# KiCad board panel.kicad_pcb (continued)
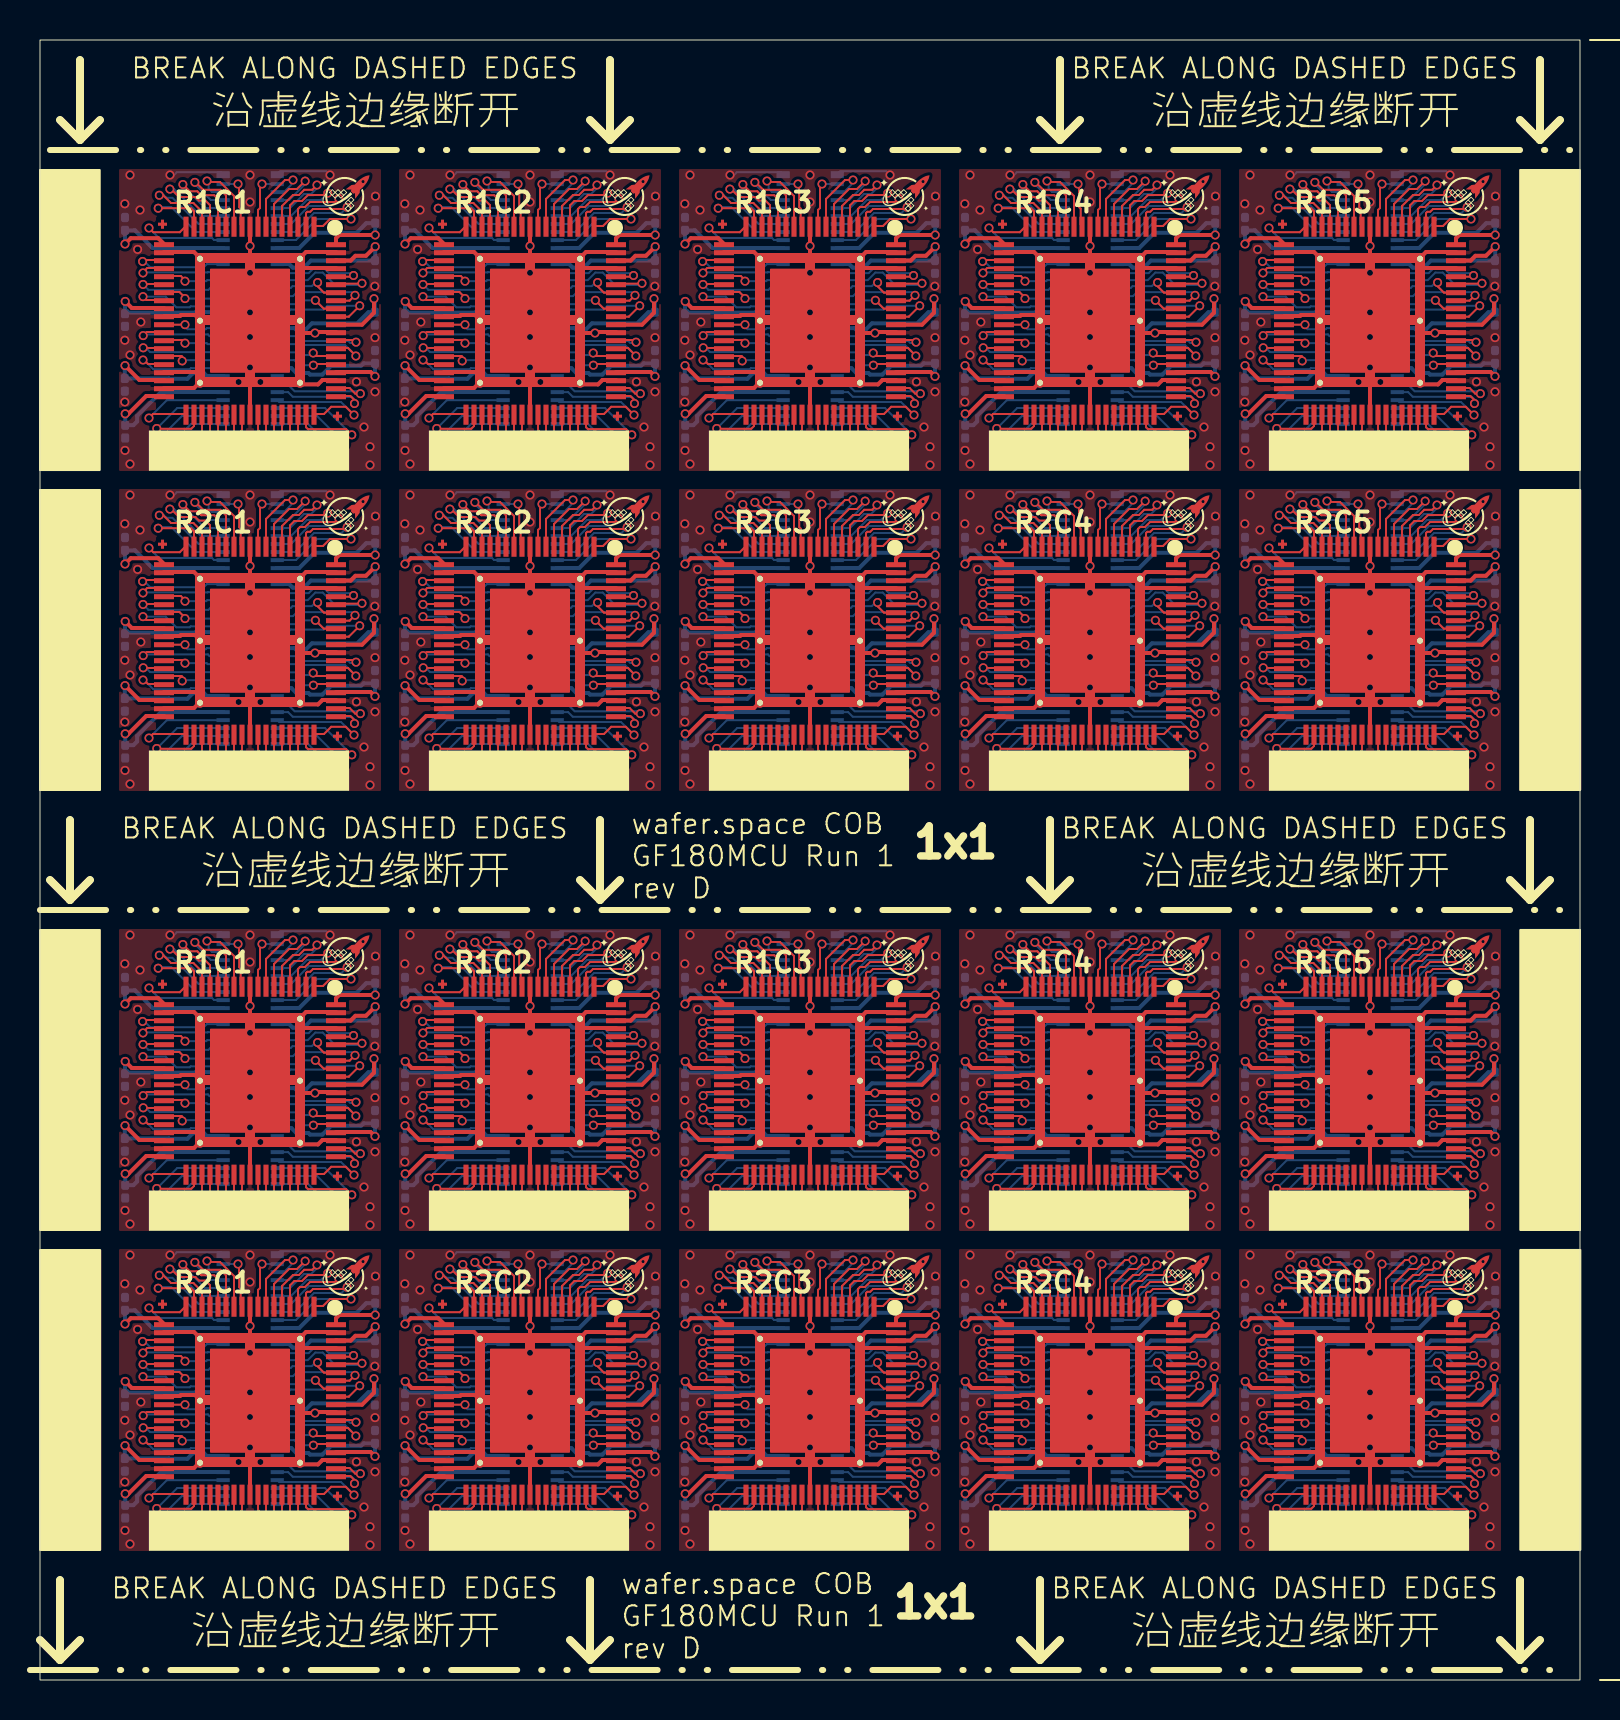
[diagram p0: board, top side]
## Routing (per net, layer and track width the routed paths; a pad name or vN(x,y) marks a point on that pad's centre or on a via; arc(x,y) is an arc through that point) (continued)
/pad_46: length 58.2
  Top w0.1: v1(53.15,61.2) 53.15,61.83 53.04,61.94 53.04,62.36 52.9,62.5 52.9,63.3 ; 52.9,25.3 52.9,24.5 53.04,24.36 53.04,23.94 53.15,23.83 v1(53.15,23.2) ; 10.9,63.3 10.9,62.5 11.04,62.36 11.04,61.94 11.15,61.83 v1(11.15,61.2) ; v1(53.15,45.2) 53.15,45.83 53.04,45.94 53.04,46.36 52.9,46.5 52.9,47.3 ; v1(67.15,45.2) 67.15,45.83 67.04,45.94 67.04,46.36 66.9,46.5 66.9,47.3 ; v1(11.15,7.2) 11.15,7.83 11.04,7.94 11.04,8.36 10.9,8.5 10.9,9.3 ; v1(39.15,61.2) 39.15,61.83 39.04,61.94 39.04,62.36 38.9,62.5 38.9,63.3 ; v1(53.15,7.2) 53.15,7.83 53.04,7.94 53.04,8.36 52.9,8.5 52.9,9.3 ; 38.9,25.3 38.9,24.5 39.04,24.36 39.04,23.94 39.15,23.83 v1(39.15,23.2) ; v1(25.15,23.2) 25.15,23.83 25.04,23.94 25.04,24.36 24.9,24.5 24.9,25.3 ; v1(11.15,23.2) 11.15,23.83 11.04,23.94 11.04,24.36 10.9,24.5 10.9,25.3 ; 66.9,9.3 66.9,8.5 67.04,8.36 67.04,7.94 67.15,7.83 v1(67.15,7.2) ; v1(25.15,45.2) 25.15,45.83 25.04,45.94 25.04,46.36 24.9,46.5 24.9,47.3 ; 38.9,47.3 38.9,46.5 39.04,46.36 39.04,45.94 39.15,45.83 v1(39.15,45.2) ; v1(39.15,7.2) 39.15,7.83 39.04,7.94 39.04,8.36 38.9,8.5 38.9,9.3 ; v1(25.15,61.2) 25.15,61.83 25.04,61.94 25.04,62.36 24.9,62.5 24.9,63.3 ; 24.9,9.3 24.9,8.5 25.04,8.36 25.04,7.94 25.15,7.83 v1(25.15,7.2) ; 66.9,25.3 66.9,24.5 67.04,24.36 67.04,23.94 67.15,23.83 v1(67.15,23.2) ; v1(11.15,45.2) 11.15,45.83 11.04,45.94 11.04,46.36 10.9,46.5 10.9,47.3 ; v1(67.15,61.2) 67.15,61.83 67.04,61.94 67.04,62.36 66.9,62.5 66.9,63.3
  Bottom w0.1: v1(39.15,23.2) 39.85,23.2 ; v1(11.15,61.2) 11.85,61.2 ; v1(39.15,45.2) 39.85,45.2 ; v1(11.15,45.2) 11.85,45.2 ; v1(39.15,7.2) 39.85,7.2 ; v1(67.15,61.2) 67.86,61.2 ; v1(11.15,23.2) 11.85,23.2 ; v1(39.15,61.2) 39.85,61.2 ; v1(67.15,45.2) 67.86,45.2 ; v1(67.15,7.2) 67.86,7.2 ; v1(25.15,7.2) 25.85,7.2 ; v1(53.15,61.2) 53.85,61.2 ; v1(11.15,7.2) 11.85,7.2 ; v1(25.15,45.2) 25.85,45.2 ; v1(53.15,23.2) 53.85,23.2 ; v1(25.15,23.2) 25.85,23.2 ; v1(25.15,61.2) 25.85,61.2 ; v1(53.15,45.2) 53.85,45.2 ; v1(53.15,7.2) 53.85,7.2 ; v1(67.15,23.2) 67.86,23.2
/pad_47: length 86.7
  Top w0.1: v1(54.8,7.05) 54.3,7.05 53.3,8.05 53.3,9.3 ; 11.3,25.3 11.3,24.05 12.3,23.05 v1(12.8,23.05) ; v1(12.8,61.05) 12.3,61.05 11.3,62.05 11.3,63.3 ; 39.3,47.3 39.3,46.05 40.3,45.05 v1(40.8,45.05) ; 25.3,25.3 25.3,24.05 26.3,23.05 v1(26.8,23.05) ; v1(26.8,45.05) 26.3,45.05 25.3,46.05 25.3,47.3 ; 11.3,47.3 11.3,46.05 12.3,45.05 v1(12.8,45.05) ; v1(40.8,23.05) 40.3,23.05 39.3,24.05 39.3,25.3 ; v1(12.8,7.05) 12.3,7.05 11.3,8.05 11.3,9.3 ; v1(68.8,61.05) 68.3,61.05 67.3,62.05 67.3,63.3 ; 67.3,47.3 67.3,46.05 68.3,45.05 v1(68.8,45.05) ; 53.3,25.3 53.3,24.05 54.3,23.05 v1(54.8,23.05) ; v1(26.8,61.05) 26.3,61.05 25.3,62.05 25.3,63.3 ; 25.3,9.3 25.3,8.05 26.3,7.05 v1(26.8,7.05) ; v1(40.8,61.05) 40.3,61.05 39.3,62.05 39.3,63.3 ; v1(68.8,7.05) 68.3,7.05 67.3,8.05 67.3,9.3 ; v1(40.8,7.05) 40.3,7.05 39.3,8.05 39.3,9.3 ; v1(54.8,61.05) 54.3,61.05 53.3,62.05 53.3,63.3 ; v1(68.8,23.05) 68.3,23.05 67.3,24.05 67.3,25.3 ; 53.3,47.3 53.3,46.05 54.3,45.05 v1(54.8,45.05)
  Bottom w0.1: 11.85,45.6 12.25,45.6 v1(12.8,45.05) ; 53.85,23.6 54.25,23.6 v1(54.8,23.05) ; v1(26.8,7.05) 26.25,7.6 25.85,7.6 ; v1(40.8,45.05) 40.25,45.6 39.85,45.6 ; v1(26.8,61.05) 26.25,61.6 25.85,61.6 ; v1(40.8,23.05) 40.25,23.6 39.85,23.6 ; 67.86,7.6 68.25,7.6 v1(68.8,7.05) ; 67.86,61.6 68.25,61.6 v1(68.8,61.05) ; 25.85,45.6 26.25,45.6 v1(26.8,45.05) ; v1(12.8,7.05) 12.25,7.6 11.85,7.6 ; v1(54.8,45.05) 54.25,45.6 53.85,45.6 ; v1(68.8,45.05) 68.25,45.6 67.86,45.6 ; v1(54.8,61.05) 54.25,61.6 53.85,61.6 ; 39.85,7.6 40.25,7.6 v1(40.8,7.05) ; 53.85,7.6 54.25,7.6 v1(54.8,7.05) ; v1(40.8,61.05) 40.25,61.6 39.85,61.6 ; 25.85,23.6 26.25,23.6 v1(26.8,23.05) ; 11.85,61.6 12.25,61.6 v1(12.8,61.05) ; v1(68.8,23.05) 68.25,23.6 67.86,23.6 ; v1(12.8,23.05) 12.25,23.6 11.85,23.6
/pad_48: length 102.5
  Top w0.1: 25.7,9.3 25.7,8.1 26.31,7.49 27.01,7.49 27.23,7.27 v1(27.42,7.27) ; 67.7,63.3 67.7,62.1 68.31,61.49 69.01,61.49 69.23,61.27 v1(69.42,61.27) ; v1(41.42,45.27) 41.23,45.27 41.01,45.49 40.31,45.49 39.7,46.1 39.7,47.3 ; 11.7,9.3 11.7,8.1 12.31,7.49 13.01,7.49 13.23,7.27 v1(13.42,7.27) ; v1(55.42,7.27) 55.23,7.27 55.01,7.49 54.31,7.49 53.7,8.1 53.7,9.3 ; 67.7,25.3 67.7,24.1 68.31,23.49 69.01,23.49 69.23,23.27 v1(69.42,23.27) ; v1(69.42,45.27) 69.23,45.27 69.01,45.49 68.31,45.49 67.7,46.1 67.7,47.3 ; 39.7,63.3 39.7,62.1 40.31,61.49 41.01,61.49 41.23,61.27 v1(41.42,61.27) ; 67.7,9.3 67.7,8.1 68.31,7.49 69.01,7.49 69.23,7.27 v1(69.42,7.27) ; 25.7,63.3 25.7,62.1 26.31,61.49 27.01,61.49 27.23,61.27 v1(27.42,61.27) ; v1(55.42,23.27) 55.23,23.27 55.01,23.49 54.31,23.49 53.7,24.1 53.7,25.3 ; 25.7,25.3 25.7,24.1 26.31,23.49 27.01,23.49 27.23,23.27 v1(27.42,23.27) ; v1(55.42,45.27) 55.23,45.27 55.01,45.49 54.31,45.49 53.7,46.1 53.7,47.3 ; v1(13.42,61.27) 13.23,61.27 13.01,61.49 12.31,61.49 11.7,62.1 11.7,63.3 ; v1(41.42,23.27) 41.23,23.27 41.01,23.49 40.31,23.49 39.7,24.1 39.7,25.3 ; 11.7,47.3 11.7,46.1 12.31,45.49 13.01,45.49 13.23,45.27 v1(13.42,45.27) ; 53.7,63.3 53.7,62.1 54.31,61.49 55.01,61.49 55.23,61.27 v1(55.42,61.27) ; 11.7,25.3 11.7,24.1 12.31,23.49 13.01,23.49 13.23,23.27 v1(13.42,23.27) ; 25.7,47.3 25.7,46.1 26.31,45.49 27.01,45.49 27.23,45.27 v1(27.42,45.27) ; v1(41.42,7.27) 41.23,7.27 41.01,7.49 40.31,7.49 39.7,8.1 39.7,9.3
  Bottom w0.1: v1(55.42,7.27) 55.33,7.27 54.6,8 53.85,8 ; 67.86,8 68.6,8 69.33,7.27 v1(69.42,7.27) ; 39.85,8 40.6,8 41.33,7.27 v1(41.42,7.27) ; 25.85,46 26.6,46 27.33,45.27 v1(27.42,45.27) ; v1(41.42,45.27) 41.33,45.27 40.6,46 39.85,46 ; v1(13.42,45.27) 13.33,45.27 12.6,46 11.85,46 ; 25.85,24 26.6,24 27.33,23.27 v1(27.42,23.27) ; v1(27.42,61.27) 27.33,61.27 26.6,62 25.85,62 ; 11.85,24 12.6,24 13.33,23.27 v1(13.42,23.27) ; v1(41.42,61.27) 41.33,61.27 40.6,62 39.85,62 ; 39.85,24 40.6,24 41.33,23.27 v1(41.42,23.27) ; 53.85,24 54.6,24 55.33,23.27 v1(55.42,23.27) ; 67.86,24 68.6,24 69.33,23.27 v1(69.42,23.27) ; 53.85,62 54.6,62 55.33,61.27 v1(55.42,61.27) ; v1(69.42,45.27) 69.33,45.27 68.6,46 67.86,46 ; 11.85,62 12.6,62 13.33,61.27 v1(13.42,61.27) ; 53.85,46 54.6,46 55.33,45.27 v1(55.42,45.27) ; 25.85,8 26.6,8 27.33,7.27 v1(27.42,7.27) ; 11.85,8 12.6,8 13.33,7.27 v1(13.42,7.27) ; v1(69.42,61.27) 69.33,61.27 68.6,62 67.86,62
/pad_49: length 116.7
  Top w0.1: v1(69.98,61.51) 69.9,61.51 69.65,61.76 68.41,61.76 68.1,62.07 68.1,63.3 ; 12.1,9.3 12.1,8.07 12.41,7.76 13.65,7.76 13.9,7.51 v1(13.98,7.51) ; v1(41.98,61.51) 41.9,61.51 41.65,61.76 40.41,61.76 40.1,62.07 40.1,63.3 ; 26.1,63.3 26.1,62.07 26.41,61.76 27.65,61.76 27.9,61.51 v1(27.98,61.51) ; 68.1,9.3 68.1,8.07 68.41,7.76 69.65,7.76 69.9,7.51 v1(69.98,7.51) ; v1(27.98,45.51) 27.9,45.51 27.65,45.76 26.41,45.76 26.1,46.07 26.1,47.3 ; v1(55.98,23.51) 55.9,23.51 55.65,23.76 54.41,23.76 54.1,24.07 54.1,25.3 ; v1(55.98,7.51) 55.9,7.51 55.65,7.76 54.41,7.76 54.1,8.07 54.1,9.3 ; 68.1,25.3 68.1,24.07 68.41,23.76 69.65,23.76 69.9,23.51 v1(69.98,23.51) ; 54.1,47.3 54.1,46.07 54.41,45.76 55.65,45.76 55.9,45.51 v1(55.98,45.51) ; 40.1,9.3 40.1,8.07 40.41,7.76 41.65,7.76 41.9,7.51 v1(41.98,7.51) ; 54.1,63.3 54.1,62.07 54.41,61.76 55.65,61.76 55.9,61.51 v1(55.98,61.51) ; v1(27.98,7.51) 27.9,7.51 27.65,7.76 26.41,7.76 26.1,8.07 26.1,9.3 ; v1(13.98,45.51) 13.9,45.51 13.65,45.76 12.41,45.76 12.1,46.07 12.1,47.3 ; v1(13.98,61.51) 13.9,61.51 13.65,61.76 12.41,61.76 12.1,62.07 12.1,63.3 ; v1(13.98,23.51) 13.9,23.51 13.65,23.76 12.41,23.76 12.1,24.07 12.1,25.3 ; v1(41.98,45.51) 41.9,45.51 41.65,45.76 40.41,45.76 40.1,46.07 40.1,47.3 ; v1(69.98,45.51) 69.9,45.51 69.65,45.76 68.41,45.76 68.1,46.07 68.1,47.3 ; v1(27.98,23.51) 27.9,23.51 27.65,23.76 26.41,23.76 26.1,24.07 26.1,25.3 ; 40.1,25.3 40.1,24.07 40.41,23.76 41.65,23.76 41.9,23.51 v1(41.98,23.51)
  Bottom w0.1: v1(13.98,61.51) 13.9,61.51 13.01,62.4 11.85,62.4 ; 39.85,46.4 41.01,46.4 41.9,45.51 v1(41.98,45.51) ; 67.86,62.4 69.01,62.4 69.9,61.51 v1(69.98,61.51) ; v1(69.98,7.51) 69.9,7.51 69.01,8.4 67.86,8.4 ; 11.85,8.4 13.01,8.4 13.9,7.51 v1(13.98,7.51) ; v1(69.98,23.51) 69.9,23.51 69.01,24.4 67.86,24.4 ; 25.85,62.4 27.01,62.4 27.9,61.51 v1(27.98,61.51) ; 53.85,8.4 55.01,8.4 55.9,7.51 v1(55.98,7.51) ; 25.85,8.4 27.01,8.4 27.9,7.51 v1(27.98,7.51) ; v1(41.98,61.51) 41.9,61.51 41.01,62.4 39.85,62.4 ; v1(69.98,45.51) 69.9,45.51 69.01,46.4 67.86,46.4 ; v1(27.98,45.51) 27.9,45.51 27.01,46.4 25.85,46.4 ; v1(41.98,7.51) 41.9,7.51 41.01,8.4 39.85,8.4 ; 11.85,46.4 13.01,46.4 13.9,45.51 v1(13.98,45.51) ; v1(41.98,23.51) 41.9,23.51 41.01,24.4 39.85,24.4 ; 53.85,46.4 55.01,46.4 55.9,45.51 v1(55.98,45.51) ; v1(13.98,23.51) 13.9,23.51 13.01,24.4 11.85,24.4 ; 25.85,24.4 27.01,24.4 27.9,23.51 v1(27.98,23.51) ; v1(55.98,61.51) 55.9,61.51 55.01,62.4 53.85,62.4 ; 53.85,24.4 55.01,24.4 55.9,23.51 v1(55.98,23.51)
/pad_50: length 131.8
  Top w0.1: 12.5,63.3 12.5,62.15 12.63,62.02 14.18,62.02 14.5,61.71 v1(14.58,61.71) ; 40.5,63.3 40.5,62.15 40.63,62.02 42.18,62.02 42.5,61.71 v1(42.58,61.71) ; v1(56.58,7.71) 56.5,7.71 56.18,8.02 54.63,8.02 54.5,8.15 54.5,9.3 ; v1(14.58,45.71) 14.5,45.71 14.18,46.02 12.63,46.02 12.5,46.15 12.5,47.3 ; v1(42.58,7.71) 42.5,7.71 42.18,8.02 40.63,8.02 40.5,8.15 40.5,9.3 ; v1(70.58,23.71) 70.5,23.71 70.18,24.02 68.63,24.02 68.5,24.15 68.5,25.3 ; v1(70.58,7.71) 70.5,7.71 70.18,8.02 68.63,8.02 68.5,8.15 68.5,9.3 ; 40.5,47.3 40.5,46.15 40.63,46.02 42.18,46.02 42.5,45.71 v1(42.58,45.71) ; v1(56.58,61.71) 56.5,61.71 56.18,62.02 54.63,62.02 54.5,62.15 54.5,63.3 ; 12.5,25.3 12.5,24.15 12.63,24.02 14.18,24.02 14.5,23.71 v1(14.58,23.71) ; 26.5,47.3 26.5,46.15 26.63,46.02 28.18,46.02 28.5,45.71 v1(28.58,45.71) ; v1(42.58,23.71) 42.5,23.71 42.18,24.02 40.63,24.02 40.5,24.15 40.5,25.3 ; v1(70.58,45.71) 70.5,45.71 70.18,46.02 68.63,46.02 68.5,46.15 68.5,47.3 ; 26.5,9.3 26.5,8.15 26.63,8.02 28.18,8.02 28.5,7.71 v1(28.58,7.71) ; 68.5,63.3 68.5,62.15 68.63,62.02 70.18,62.02 70.5,61.71 v1(70.58,61.71) ; v1(28.58,23.71) 28.5,23.71 28.18,24.02 26.63,24.02 26.5,24.15 26.5,25.3 ; v1(56.58,23.71) 56.5,23.71 56.18,24.02 54.63,24.02 54.5,24.15 54.5,25.3 ; 12.5,9.3 12.5,8.15 12.63,8.02 14.18,8.02 14.5,7.71 v1(14.58,7.71) ; v1(28.58,61.71) 28.5,61.71 28.18,62.02 26.63,62.02 26.5,62.15 26.5,63.3 ; v1(56.58,45.71) 56.5,45.71 56.18,46.02 54.63,46.02 54.5,46.15 54.5,47.3
  Bottom w0.1: 39.85,24.8 41.41,24.8 42.5,23.71 v1(42.58,23.71) ; 11.85,62.8 13.41,62.8 14.5,61.71 v1(14.58,61.71) ; 53.85,46.8 55.41,46.8 56.5,45.71 v1(56.58,45.71) ; 25.85,62.8 27.41,62.8 28.5,61.71 v1(28.58,61.71) ; 67.86,46.8 69.41,46.8 70.5,45.71 v1(70.58,45.71) ; 25.85,46.8 27.41,46.8 28.5,45.71 v1(28.58,45.71) ; 39.85,46.8 41.41,46.8 42.5,45.71 v1(42.58,45.71) ; v1(56.58,23.71) 56.5,23.71 55.41,24.8 53.85,24.8 ; 67.86,62.8 69.41,62.8 70.5,61.71 v1(70.58,61.71) ; v1(42.58,7.71) 42.5,7.71 41.41,8.8 39.85,8.8 ; 11.85,24.8 13.41,24.8 14.5,23.71 v1(14.58,23.71) ; 11.85,46.8 13.41,46.8 14.5,45.71 v1(14.58,45.71) ; v1(56.58,7.71) 56.5,7.71 55.41,8.8 53.85,8.8 ; v1(56.58,61.71) 56.5,61.71 55.41,62.8 53.85,62.8 ; v1(70.58,23.71) 70.5,23.71 69.41,24.8 67.86,24.8 ; 25.85,24.8 27.41,24.8 28.5,23.71 v1(28.58,23.71) ; 25.85,8.8 27.41,8.8 28.5,7.71 v1(28.58,7.71) ; 67.86,8.8 69.41,8.8 70.5,7.71 v1(70.58,7.71) ; 39.85,62.8 41.41,62.8 42.5,61.71 v1(42.58,61.71) ; v1(14.58,7.71) 14.5,7.71 13.41,8.8 11.85,8.8
/pad_51: length 148.9
  Top w0.1: v1(71.18,7.8) 71.18,7.87 70.77,8.28 68.97,8.28 68.9,8.35 68.9,9.3 ; 40.9,47.3 40.9,46.35 40.97,46.28 42.77,46.28 43.18,45.87 v1(43.18,45.8) ; v1(57.18,61.8) 57.18,61.87 56.77,62.28 54.97,62.28 54.9,62.35 54.9,63.3 ; v1(57.18,45.8) 57.18,45.87 56.77,46.28 54.97,46.28 54.9,46.35 54.9,47.3 ; 26.9,63.3 26.9,62.35 26.97,62.28 28.77,62.28 29.18,61.87 v1(29.18,61.8) ; v1(15.18,45.8) 15.18,45.87 14.77,46.28 12.97,46.28 12.9,46.35 12.9,47.3 ; 54.9,25.3 54.9,24.35 54.97,24.28 56.77,24.28 57.18,23.87 v1(57.18,23.8) ; 68.9,47.3 68.9,46.35 68.97,46.28 70.77,46.28 71.18,45.87 v1(71.18,45.8) ; 68.9,63.3 68.9,62.35 68.97,62.28 70.77,62.28 71.18,61.87 v1(71.18,61.8) ; v1(71.18,23.8) 71.18,23.87 70.77,24.28 68.97,24.28 68.9,24.35 68.9,25.3 ; v1(15.18,61.8) 15.18,61.87 14.77,62.28 12.97,62.28 12.9,62.35 12.9,63.3 ; v1(29.18,7.8) 29.18,7.87 28.77,8.28 26.97,8.28 26.9,8.35 26.9,9.3 ; v1(15.18,23.8) 15.18,23.87 14.77,24.28 12.97,24.28 12.9,24.35 12.9,25.3 ; v1(15.18,7.8) 15.18,7.87 14.77,8.28 12.97,8.28 12.9,8.35 12.9,9.3 ; v1(43.18,23.8) 43.18,23.87 42.77,24.28 40.97,24.28 40.9,24.35 40.9,25.3 ; 54.9,9.3 54.9,8.35 54.97,8.28 56.77,8.28 57.18,7.87 v1(57.18,7.8) ; v1(43.18,61.8) 43.18,61.87 42.77,62.28 40.97,62.28 40.9,62.35 40.9,63.3 ; 26.9,47.3 26.9,46.35 26.97,46.28 28.77,46.28 29.18,45.87 v1(29.18,45.8) ; v1(43.18,7.8) 43.18,7.87 42.77,8.28 40.97,8.28 40.9,8.35 40.9,9.3 ; v1(29.18,23.8) 29.18,23.87 28.77,24.28 26.97,24.28 26.9,24.35 26.9,25.3
  Bottom w0.1: 39.85,47.2 41.85,47.2 43.18,45.87 v1(43.18,45.8) ; 67.86,25.2 69.85,25.2 71.18,23.87 v1(71.18,23.8) ; v1(43.18,7.8) 43.18,7.87 41.85,9.2 39.85,9.2 ; v1(43.18,23.8) 43.18,23.87 41.85,25.2 39.85,25.2 ; v1(71.18,45.8) 71.18,45.87 69.85,47.2 67.86,47.2 ; v1(57.18,7.8) 57.18,7.87 55.85,9.2 53.85,9.2 ; 25.85,63.2 27.85,63.2 29.18,61.87 v1(29.18,61.8) ; 53.85,63.2 55.85,63.2 57.18,61.87 v1(57.18,61.8) ; 67.86,9.2 69.85,9.2 71.18,7.87 v1(71.18,7.8) ; v1(29.18,45.8) 29.18,45.87 27.85,47.2 25.85,47.2 ; v1(15.18,23.8) 15.18,23.87 13.85,25.2 11.85,25.2 ; 25.85,25.2 27.85,25.2 29.18,23.87 v1(29.18,23.8) ; v1(43.18,61.8) 43.18,61.87 41.85,63.2 39.85,63.2 ; v1(15.18,45.8) 15.18,45.87 13.85,47.2 11.85,47.2 ; 53.85,25.2 55.85,25.2 57.18,23.87 v1(57.18,23.8) ; v1(15.18,61.8) 15.18,61.87 13.85,63.2 11.85,63.2 ; v1(71.18,61.8) 71.18,61.87 69.85,63.2 67.86,63.2 ; v1(57.18,45.8) 57.18,45.87 55.85,47.2 53.85,47.2 ; 25.85,9.2 27.85,9.2 29.18,7.87 v1(29.18,7.8) ; 11.85,9.2 13.85,9.2 15.18,7.87 v1(15.18,7.8)
/pad_52: length 147.9
  Top w0.1: v1(71.59,62.26) 71.3,62.54 69.4,62.54 69.3,62.64 69.3,63.3 ; v1(71.59,24.26) 71.3,24.54 69.4,24.54 69.3,24.64 69.3,25.3 ; v1(15.59,46.26) 15.3,46.54 13.4,46.54 13.3,46.64 13.3,47.3 ; 55.3,9.3 55.3,8.64 55.4,8.54 57.3,8.54 v1(57.59,8.26) ; 55.3,25.3 55.3,24.64 55.4,24.54 57.3,24.54 v1(57.59,24.26) ; 55.3,47.3 55.3,46.64 55.4,46.54 57.3,46.54 v1(57.59,46.26) ; 13.3,25.3 13.3,24.64 13.4,24.54 15.3,24.54 v1(15.59,24.26) ; 41.3,63.3 41.3,62.64 41.4,62.54 43.3,62.54 v1(43.59,62.26) ; v1(15.59,62.26) 15.3,62.54 13.4,62.54 13.3,62.64 13.3,63.3 ; 41.3,9.3 41.3,8.64 41.4,8.54 43.3,8.54 v1(43.59,8.26) ; v1(43.59,24.26) 43.3,24.54 41.4,24.54 41.3,24.64 41.3,25.3 ; 69.3,9.3 69.3,8.64 69.4,8.54 71.3,8.54 v1(71.59,8.26) ; v1(29.59,24.26) 29.3,24.54 27.4,24.54 27.3,24.64 27.3,25.3 ; v1(43.59,46.26) 43.3,46.54 41.4,46.54 41.3,46.64 41.3,47.3 ; v1(29.59,62.26) 29.3,62.54 27.4,62.54 27.3,62.64 27.3,63.3 ; 27.3,9.3 27.3,8.64 27.4,8.54 29.3,8.54 v1(29.59,8.26) ; 27.3,47.3 27.3,46.64 27.4,46.54 29.3,46.54 v1(29.59,46.26) ; 55.3,63.3 55.3,62.64 55.4,62.54 57.3,62.54 v1(57.59,62.26) ; 13.3,9.3 13.3,8.64 13.4,8.54 15.3,8.54 v1(15.59,8.26) ; 69.3,47.3 69.3,46.64 69.4,46.54 71.3,46.54 v1(71.59,46.26)
  Bottom w0.1: 11.85,47.6 14.25,47.6 v1(15.59,46.26) ; v1(15.59,62.26) 14.25,63.6 11.85,63.6 ; 39.85,63.6 42.25,63.6 v1(43.59,62.26) ; 67.86,9.6 70.25,9.6 v1(71.59,8.26) ; v1(57.59,46.26) 56.25,47.6 53.85,47.6 ; v1(57.59,62.26) 56.25,63.6 53.85,63.6 ; 53.85,9.6 56.25,9.6 v1(57.59,8.26) ; v1(29.59,24.26) 28.25,25.6 25.85,25.6 ; 39.85,47.6 42.25,47.6 v1(43.59,46.26) ; v1(29.59,8.26) 28.25,9.6 25.85,9.6 ; v1(71.59,46.26) 70.25,47.6 67.86,47.6 ; v1(15.59,8.26) 14.25,9.6 11.85,9.6 ; v1(29.59,62.26) 28.25,63.6 25.85,63.6 ; v1(57.59,24.26) 56.25,25.6 53.85,25.6 ; 39.85,25.6 42.25,25.6 v1(43.59,24.26) ; 67.86,25.6 70.25,25.6 v1(71.59,24.26) ; v1(43.59,8.26) 42.25,9.6 39.85,9.6 ; v1(15.59,24.26) 14.25,25.6 11.85,25.6 ; v1(29.59,46.26) 28.25,47.6 25.85,47.6 ; 67.86,63.6 70.25,63.6 v1(71.59,62.26)
/pad_53: length 129.3
  Top w0.1: 13.7,63.3 14.2,63.3 14.56,63.66 15.29,63.66 v1(15.7,63.25) ; 69.7,25.3 70.2,25.3 70.56,25.66 71.29,25.66 v1(71.7,25.25) ; v1(29.7,47.25) 29.29,47.66 28.56,47.66 28.2,47.3 27.7,47.3 ; v1(57.7,9.25) 57.29,9.66 56.56,9.66 56.2,9.3 55.7,9.3 ; 69.7,9.3 70.2,9.3 70.56,9.66 71.29,9.66 v1(71.7,9.25) ; 13.7,47.3 14.2,47.3 14.56,47.66 15.29,47.66 v1(15.7,47.25) ; 41.7,25.3 42.2,25.3 42.56,25.66 43.29,25.66 v1(43.7,25.25) ; v1(29.7,63.25) 29.29,63.66 28.56,63.66 28.2,63.3 27.7,63.3 ; 69.7,47.3 70.2,47.3 70.56,47.66 71.29,47.66 v1(71.7,47.25) ; 41.7,63.3 42.2,63.3 42.56,63.66 43.29,63.66 v1(43.7,63.25) ; v1(57.7,25.25) 57.29,25.66 56.56,25.66 56.2,25.3 55.7,25.3 ; v1(29.7,25.25) 29.29,25.66 28.56,25.66 28.2,25.3 27.7,25.3 ; v1(15.7,9.25) 15.29,9.66 14.56,9.66 14.2,9.3 13.7,9.3 ; 27.7,9.3 28.2,9.3 28.56,9.66 29.29,9.66 v1(29.7,9.25) ; v1(43.7,47.25) 43.29,47.66 42.56,47.66 42.2,47.3 41.7,47.3 ; 13.7,25.3 14.2,25.3 14.56,25.66 15.29,25.66 v1(15.7,25.25) ; 69.7,63.3 70.2,63.3 70.56,63.66 71.29,63.66 v1(71.7,63.25) ; 55.7,47.3 56.2,47.3 56.56,47.66 57.29,47.66 v1(57.7,47.25) ; 55.7,63.3 56.2,63.3 56.56,63.66 57.29,63.66 v1(57.7,63.25) ; 41.7,9.3 42.2,9.3 42.56,9.66 43.29,9.66 v1(43.7,9.25)
  Bottom w0.1: v1(15.7,47.25) 15.05,47.9 11.96,47.9 U111.28 ; U115#2.28 39.96,9.9 43.05,9.9 v1(43.7,9.25) ; U117#2.28 53.96,47.9 57.05,47.9 v1(57.7,47.25) ; U119#2.28 67.96,47.9 71.05,47.9 v1(71.7,47.25) ; v1(29.7,47.25) 29.05,47.9 25.96,47.9 U113#2.28 ; v1(57.7,63.25) 57.05,63.9 53.96,63.9 U107.28 ; U101#2.28 11.96,25.9 15.05,25.9 v1(15.7,25.25) ; U119.28 67.96,9.9 71.05,9.9 v1(71.7,9.25) ; U111#2.28 11.96,9.9 15.05,9.9 v1(15.7,9.25) ; U105.28 39.96,25.9 43.05,25.9 v1(43.7,25.25) ; U109#2.28 67.96,25.9 71.05,25.9 v1(71.7,25.25) ; v1(15.7,63.25) 15.05,63.9 11.96,63.9 U101.28 ; U107#2.28 53.96,25.9 57.05,25.9 v1(57.7,25.25) ; U109.28 67.96,63.9 71.05,63.9 v1(71.7,63.25) ; U113.28 25.96,9.9 29.05,9.9 v1(29.7,9.25) ; v1(29.7,63.25) 29.05,63.9 25.96,63.9 U103#2.28 ; v1(29.7,25.25) 29.05,25.9 25.96,25.9 U103.28 ; U115.28 39.96,47.9 43.05,47.9 v1(43.7,47.25) ; v1(43.7,63.25) 43.05,63.9 39.96,63.9 U105#2.28 ; v1(57.7,9.25) 57.05,9.9 53.96,9.9 U117.28
/pad_54: length 107.9
  Top w0.1: 14.8,26.2 15.52,26.2 15.71,26.01 15.71,25.83 v1(15.72,25.82) ; 56.8,48.2 57.52,48.2 57.71,48.01 57.71,47.83 v1(57.72,47.82) ; 70.8,26.2 71.52,26.2 71.71,26.01 71.71,25.83 v1(71.72,25.82) ; v1(43.72,47.82) 43.71,47.83 43.71,48.01 43.52,48.2 42.8,48.2 ; v1(71.72,9.82) 71.71,9.83 71.71,10.01 71.52,10.2 70.8,10.2 ; 14.8,48.2 15.52,48.2 15.71,48.01 15.71,47.83 v1(15.72,47.82) ; 70.8,48.2 71.52,48.2 71.71,48.01 71.71,47.83 v1(71.72,47.82) ; 70.8,64.2 71.52,64.2 71.71,64.01 71.71,63.83 v1(71.72,63.82) ; 56.8,10.2 57.52,10.2 57.71,10.01 57.71,9.83 v1(57.72,9.82) ; v1(57.72,25.82) 57.71,25.83 57.71,26.01 57.52,26.2 56.8,26.2 ; 14.8,10.2 15.52,10.2 15.71,10.01 15.71,9.83 v1(15.72,9.82) ; v1(43.72,25.82) 43.71,25.83 43.71,26.01 43.52,26.2 42.8,26.2 ; 42.8,64.2 43.52,64.2 43.71,64.01 43.71,63.83 v1(43.72,63.82) ; 28.8,48.2 29.52,48.2 29.71,48.01 29.71,47.83 v1(29.72,47.82) ; 56.8,64.2 57.52,64.2 57.71,64.01 57.71,63.83 v1(57.72,63.82) ; 42.8,10.2 43.52,10.2 43.71,10.01 43.71,9.83 v1(43.72,9.82) ; 14.8,64.2 15.52,64.2 15.71,64.01 15.71,63.83 v1(15.72,63.82) ; v1(29.72,25.82) 29.71,25.83 29.71,26.01 29.52,26.2 28.8,26.2 ; v1(29.72,9.82) 29.71,9.83 29.71,10.01 29.52,10.2 28.8,10.2 ; v1(29.72,63.82) 29.71,63.83 29.71,64.01 29.52,64.2 28.8,64.2
  Bottom w0.1: 53.87,10.39 54.4,10.39 54.64,10.16 57.16,10.16 57.17,10.15 57.6,10.15 57.71,10.04 57.71,9.83 v1(57.72,9.82) ; v1(29.72,47.82) 29.71,47.83 29.71,48.04 29.6,48.15 29.17,48.15 29.16,48.16 26.64,48.16 26.4,48.39 25.87,48.39 ; v1(57.72,63.82) 57.71,63.83 57.71,64.04 57.6,64.15 57.17,64.15 57.16,64.16 54.64,64.16 54.4,64.4 U107.27 ; 39.87,26.39 40.4,26.39 40.64,26.16 43.16,26.16 43.17,26.15 43.6,26.15 43.71,26.04 43.71,25.83 v1(43.72,25.82) ; U109.27 68.41,64.4 68.64,64.16 71.16,64.16 71.17,64.15 71.6,64.15 71.71,64.04 71.71,63.83 v1(71.72,63.82) ; v1(15.72,25.82) 15.71,25.83 15.71,26.04 15.6,26.15 15.17,26.15 15.16,26.16 12.64,26.16 12.4,26.39 11.87,26.39 ; U101.27 12.4,64.4 12.64,64.16 15.16,64.16 15.17,64.15 15.6,64.15 15.71,64.04 15.71,63.83 v1(15.72,63.82) ; v1(71.72,47.82) 71.71,47.83 71.71,48.04 71.6,48.15 71.17,48.15 71.16,48.16 68.64,48.16 68.41,48.39 67.87,48.39 ; v1(29.72,9.82) 29.71,9.83 29.71,10.04 29.6,10.15 29.17,10.15 29.16,10.16 26.64,10.16 26.4,10.39 25.87,10.39 ; v1(57.72,47.82) 57.71,47.83 57.71,48.04 57.6,48.15 57.17,48.15 57.16,48.16 54.64,48.16 54.4,48.39 53.87,48.39 ; U103#2.27 26.4,64.4 26.64,64.16 29.16,64.16 29.17,64.15 29.6,64.15 29.71,64.04 29.71,63.83 v1(29.72,63.82) ; v1(15.72,9.82) 15.71,9.83 15.71,10.04 15.6,10.15 15.17,10.15 15.16,10.16 12.64,10.16 12.4,10.39 11.87,10.39 ; v1(57.72,25.82) 57.71,25.83 57.71,26.04 57.6,26.15 57.17,26.15 57.16,26.16 54.64,26.16 54.4,26.39 53.87,26.39 ; v1(71.72,25.82) 71.71,25.83 71.71,26.04 71.6,26.15 71.17,26.15 71.16,26.16 68.64,26.16 68.41,26.39 67.87,26.39 ; v1(43.72,63.82) 43.71,63.83 43.71,64.04 43.6,64.15 43.17,64.15 43.16,64.16 40.64,64.16 40.4,64.4 U105#2.27 ; 39.87,48.39 40.4,48.39 40.64,48.16 43.16,48.16 43.17,48.15 43.6,48.15 43.71,48.04 43.71,47.83 v1(43.72,47.82) ; v1(43.72,9.82) 43.71,9.83 43.71,10.04 43.6,10.15 43.17,10.15 43.16,10.16 40.64,10.16 40.4,10.39 39.87,10.39 ; v1(71.72,9.82) 71.71,9.83 71.71,10.04 71.6,10.15 71.17,10.15 71.16,10.16 68.64,10.16 68.41,10.39 67.87,10.39 ; 11.87,48.39 12.4,48.39 12.64,48.16 15.16,48.16 15.17,48.15 15.6,48.15 15.71,48.04 15.71,47.83 v1(15.72,47.82) ; 25.87,26.39 26.4,26.39 26.64,26.16 29.16,26.16 29.17,26.15 29.6,26.15 29.71,26.04 29.71,25.83 v1(29.72,25.82)
/pad_55: length 113.7
  Top w0.1: 56.8,10.6 57.48,10.6 57.76,10.32 v1(58.02,10.32) ; v1(30.02,48.32) 29.76,48.32 29.48,48.6 28.8,48.6 ; v1(58.02,26.32) 57.76,26.32 57.48,26.6 56.8,26.6 ; 70.8,10.6 71.48,10.6 71.76,10.32 v1(72.02,10.32) ; 28.8,64.6 29.48,64.6 29.76,64.32 v1(30.02,64.32) ; 70.8,26.6 71.48,26.6 71.76,26.32 v1(72.02,26.32) ; 42.8,26.6 43.48,26.6 43.76,26.32 v1(44.02,26.32) ; v1(44.02,10.32) 43.76,10.32 43.48,10.6 42.8,10.6 ; v1(16.02,64.32) 15.76,64.32 15.48,64.6 14.8,64.6 ; 28.8,10.6 29.48,10.6 29.76,10.32 v1(30.02,10.32) ; v1(16.02,10.32) 15.76,10.32 15.48,10.6 14.8,10.6 ; 56.8,48.6 57.48,48.6 57.76,48.32 v1(58.02,48.32) ; v1(72.02,48.32) 71.76,48.32 71.48,48.6 70.8,48.6 ; 42.8,64.6 43.48,64.6 43.76,64.32 v1(44.02,64.32) ; 42.8,48.6 43.48,48.6 43.76,48.32 v1(44.02,48.32) ; 56.8,64.6 57.48,64.6 57.76,64.32 v1(58.02,64.32) ; v1(16.02,48.32) 15.76,48.32 15.48,48.6 14.8,48.6 ; v1(30.02,26.32) 29.76,26.32 29.48,26.6 28.8,26.6 ; v1(16.02,26.32) 15.76,26.32 15.48,26.6 14.8,26.6 ; 70.8,64.6 71.48,64.6 71.76,64.32 v1(72.02,64.32)
  Bottom w0.1: v1(16.02,64.32) 15.95,64.32 15.84,64.44 12.73,64.44 12.37,64.8 U101.26 ; v1(58.02,48.32) 57.95,48.32 57.84,48.44 54.73,48.44 54.37,48.8 U117#2.26 ; U107.26 54.37,64.8 54.73,64.44 57.84,64.44 57.95,64.32 v1(58.02,64.32) ; U115.26 40.37,48.8 40.73,48.44 43.84,48.44 43.95,48.32 v1(44.02,48.32) ; U119.26 68.37,10.8 68.73,10.44 71.84,10.44 71.95,10.32 v1(72.02,10.32) ; v1(16.02,10.32) 15.95,10.32 15.84,10.44 12.73,10.44 12.37,10.8 U111#2.26 ; v1(72.02,26.32) 71.95,26.32 71.84,26.44 68.73,26.44 68.37,26.8 U109#2.26 ; v1(44.02,64.32) 43.95,64.32 43.84,64.44 40.73,64.44 40.37,64.8 U105#2.26 ; U107#2.26 54.37,26.8 54.73,26.44 57.84,26.44 57.95,26.32 v1(58.02,26.32) ; v1(72.02,48.32) 71.95,48.32 71.84,48.44 68.73,48.44 68.37,48.8 U119#2.26 ; U113.26 26.37,10.8 26.73,10.44 29.84,10.44 29.95,10.32 v1(30.02,10.32) ; U105.26 40.37,26.8 40.73,26.44 43.84,26.44 43.95,26.32 v1(44.02,26.32) ; v1(30.02,48.32) 29.95,48.32 29.84,48.44 26.73,48.44 26.37,48.8 U113#2.26 ; v1(30.02,26.32) 29.95,26.32 29.84,26.44 26.73,26.44 26.37,26.8 U103.26 ; U115#2.26 40.37,10.8 40.73,10.44 43.84,10.44 43.95,10.32 v1(44.02,10.32) ; v1(30.02,64.32) 29.95,64.32 29.84,64.44 26.73,64.44 26.37,64.8 U103#2.26 ; v1(16.02,48.32) 15.95,48.32 15.84,48.44 12.73,48.44 12.37,48.8 U111.26 ; U117.26 54.37,10.8 54.73,10.44 57.84,10.44 57.95,10.32 v1(58.02,10.32) ; v1(16.02,26.32) 15.95,26.32 15.84,26.44 12.73,26.44 12.37,26.8 U101#2.26 ; U109.26 68.37,64.8 68.73,64.44 71.84,64.44 71.95,64.32 v1(72.02,64.32)
/pad_58: length 61.3
  Top w0.1: v1(55.67,11.74) 55.73,11.8 56.8,11.8 ; v1(27.67,49.74) 27.73,49.8 28.8,49.8 ; v1(55.67,65.74) 55.73,65.8 56.8,65.8 ; 14.8,11.8 13.73,11.8 v1(13.67,11.74) ; v1(69.67,65.74) 69.73,65.8 70.8,65.8 ; v1(55.67,27.74) 55.73,27.8 56.8,27.8 ; v1(69.67,49.74) 69.73,49.8 70.8,49.8 ; v1(41.67,65.74) 41.73,65.8 42.8,65.8 ; 14.8,65.8 13.73,65.8 v1(13.67,65.74) ; 14.8,49.8 13.73,49.8 v1(13.67,49.74) ; v1(41.67,11.74) 41.73,11.8 42.8,11.8 ; 28.8,27.8 27.73,27.8 v1(27.67,27.74) ; 28.8,65.8 27.73,65.8 v1(27.67,65.74) ; 70.8,11.8 69.73,11.8 v1(69.67,11.74) ; v1(27.67,11.74) 27.73,11.8 28.8,11.8 ; 42.8,27.8 41.73,27.8 v1(41.67,27.74) ; v1(41.67,49.74) 41.73,49.8 42.8,49.8 ; v1(13.67,27.74) 13.73,27.8 14.8,27.8 ; v1(55.67,49.74) 55.73,49.8 56.8,49.8 ; 70.8,27.8 69.73,27.8 v1(69.67,27.74)
  Bottom w0.1: v1(13.67,11.74) 12.96,11.74 12.71,12 U111#2.23 ; v1(27.67,27.74) 26.96,27.74 26.71,28 U103.23 ; U103#2.23 26.71,66 26.96,65.74 v1(27.67,65.74) ; v1(27.67,11.74) 26.96,11.74 26.71,12 U113.23 ; U119#2.23 68.71,50 68.97,49.74 v1(69.67,49.74) ; v1(55.67,11.74) 54.96,11.74 54.71,12 U117.23 ; U105#2.23 40.71,66 40.96,65.74 v1(41.67,65.74) ; U115#2.23 40.71,12 40.96,11.74 v1(41.67,11.74) ; v1(55.67,27.74) 54.96,27.74 54.71,28 U107#2.23 ; U115.23 40.71,50 40.96,49.74 v1(41.67,49.74) ; v1(69.67,11.74) 68.97,11.74 68.71,12 U119.23 ; v1(13.67,65.74) 12.96,65.74 12.71,66 U101.23 ; U101#2.23 12.71,28 12.96,27.74 v1(13.67,27.74) ; U109#2.23 68.71,28 68.97,27.74 v1(69.67,27.74) ; v1(41.67,27.74) 40.96,27.74 40.71,28 U105.23 ; v1(13.67,49.74) 12.96,49.74 12.71,50 U111.23 ; U109.23 68.71,66 68.97,65.74 v1(69.67,65.74) ; U113#2.23 26.71,50 26.96,49.74 v1(27.67,49.74) ; U107.23 54.71,66 54.96,65.74 v1(55.67,65.74) ; U117#2.23 54.71,50 54.96,49.74 v1(55.67,49.74)
/pad_59: length 62.3
  Top w0.1: v1(69.66,66.35) 69.66,66.33 69.78,66.2 70.8,66.2 ; v1(27.66,66.35) 27.66,66.33 27.79,66.2 28.8,66.2 ; 56.8,66.2 55.79,66.2 55.66,66.33 v1(55.66,66.35) ; 70.8,50.2 69.78,50.2 69.66,50.33 v1(69.66,50.35) ; 42.8,66.2 41.79,66.2 41.66,66.33 v1(41.66,66.35) ; 14.8,12.2 13.79,12.2 13.66,12.33 v1(13.66,12.35) ; v1(13.66,28.35) 13.66,28.33 13.79,28.2 14.8,28.2 ; v1(27.66,28.35) 27.66,28.33 27.79,28.2 28.8,28.2 ; v1(27.66,50.35) 27.66,50.33 27.79,50.2 28.8,50.2 ; 56.8,50.2 55.79,50.2 55.66,50.33 v1(55.66,50.35) ; v1(41.66,28.35) 41.66,28.33 41.79,28.2 42.8,28.2 ; 28.8,12.2 27.79,12.2 27.66,12.33 v1(27.66,12.35) ; 56.8,12.2 55.79,12.2 55.66,12.33 v1(55.66,12.35) ; 70.8,28.2 69.78,28.2 69.66,28.33 v1(69.66,28.35) ; v1(41.66,12.35) 41.66,12.33 41.79,12.2 42.8,12.2 ; v1(55.66,28.35) 55.66,28.33 55.79,28.2 56.8,28.2 ; v1(69.66,12.35) 69.66,12.33 69.78,12.2 70.8,12.2 ; 14.8,50.2 13.79,50.2 13.66,50.33 v1(13.66,50.35) ; 42.8,50.2 41.79,50.2 41.66,50.33 v1(41.66,50.35) ; 14.8,66.2 13.79,66.2 13.66,66.33 v1(13.66,66.35)